# KiCad board FetsAndCrosses.kicad_pcb (continued)
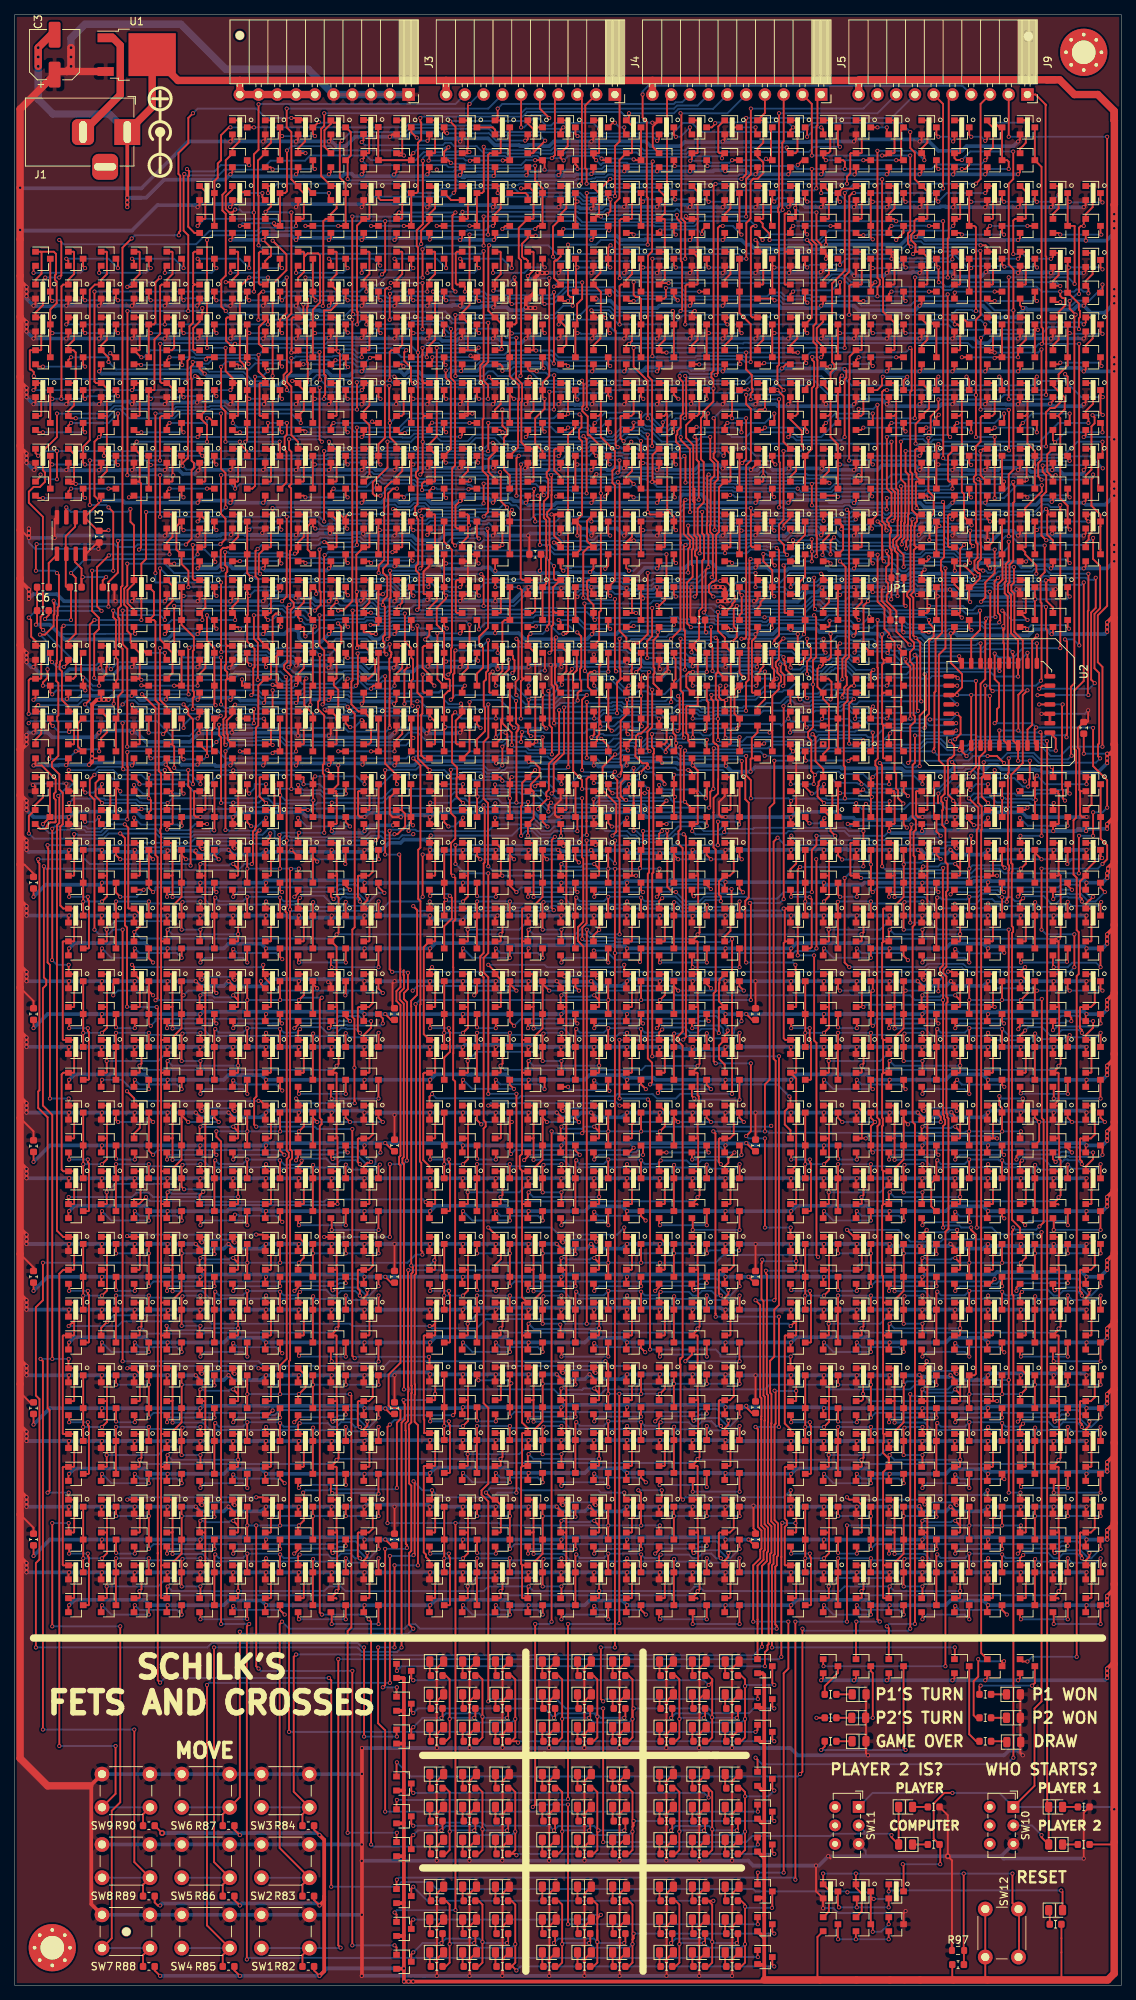
[diagram p0: board, top side]
## Placement (name value [footprint] x y rotation side) (continued)
R104  1K  [R_0603_1608Metric_NOLBL]  131.44 33.02 180 top
R105  20K  [R_0603_1608Metric_NOLBL]  110.49 39.37 180 top
R106  1K  [R_0603_1608Metric_NOLBL]  110.49 36.19 180 top
R107  20K  [R_0603_1608Metric_NOLBL]  12.7 189.23 0 top
R108  20K  [R_0603_1608Metric_NOLBL]  8.25 189.23 180 top
SW1  SW_Push  [SW_PUSH_6mm]  33.4 9.52 0 top
SW2  SW_Push  [SW_PUSH_6mm]  33.4 19.05 0 top
SW3  SW_Push  [SW_PUSH_6mm]  33.4 28.57 0 top
SW4  SW_Push  [SW_PUSH_6mm]  22.61 9.52 0 top
SW5  SW_Push  [SW_PUSH_6mm]  22.61 19.05 0 top
SW6  SW_Push  [SW_PUSH_6mm]  22.61 28.57 0 top
SW7  SW_Push  [SW_PUSH_6mm]  11.81 9.52 0 top
SW8  SW_Push  [SW_PUSH_6mm]  11.81 19.05 0 top
SW9  SW_Push  [SW_PUSH_6mm]  11.81 28.57 0 top
SW10  SW_DPDT_x2  [SW_E-Switch_EG1271_DPDT]  135.25 24.13 270 top
SW11  SW_DPDT_x2  [SW_E-Switch_EG1271_DPDT]  114.3 24.13 270 top
SW12  SW_Push  [SW_PUSH_6mm]  131.44 3.81 90 top
U1  L7805  [TO-252-2]  16.51 261.3 0 top
U2  SST39SF020  [PLCC-32_11.4x14.0mm_P1.27mm_SMD-Socket]  133.35 173.35 270 top
U3  LM555xM  [SOIC-8_3.9x4.9mm_P1.27mm]  7.62 196.21 270 top

## Footprints (pads in the part's own frame, mm; a bottom-side part is the same pattern mirrored in y, then rotated)
BarrelJack_Horizontal
  rect 3.5x3.5 hole 1x3: 1(0,0)
  rrect 3x3.5 hole 1x3: 2(-6,0)
  rrect 3.5x3.5 hole 3x1: 3(-3,-4.7)
C_0603_1608Metric
  rrect 0.875x0.95 smd: 1(-0.787,0) 2(0.787,0)
C_0603_1608Metric_NOLBL
  rrect 0.875x0.95 smd: 1(-0.787,0) 2(0.787,0)
CP_Elec_6.3x7.7
  rrect 3.5x1.6 smd: 1(-2.7,0) 2(2.7,0)
D_0805_2012Metric_NOLBL
  rrect 0.975x1.4 smd: 1(-0.938,0) 2(0.938,0)
jlcpcb_tooling_hole
  round 1.3 hole 1.152 unplated: (0,0)
MountingHole_3.2mm_M3_Pad_Via
  round 0.8 hole 0.5: 1(-2.4,0) 1(-1.697,1.697) 1(-1.697,-1.697) 1(0,2.4) 1(0,-2.4) 1(1.697,1.697) 1(1.697,-1.697) 1(2.4,0)
  round 6.4 hole 3.2: 1(0,0)
PinSocket_1x10_P2.54mm_Horizontal
  rect 1.7x1.7 hole 1: 1(0,0)
  oval 1.7x1.7 hole 1: 2(0,-2.54) 3(0,-5.08) 4(0,-7.62) 5(0,-10.16) 6(0,-12.7) 7(0,-15.24) 8(0,-17.78) 9(0,-20.32) 10(0,-22.86)
PLCC-32_11.4x14.0mm_P1.27mm_SMD-Socket
  rrect 0.6x1.475 smd: 1(0,6.838) 2(-1.27,6.838) 3(-2.54,6.838) 4(-3.81,6.838) 14(-3.81,-6.838) 15(-2.54,-6.838) 16(-1.27,-6.838) 17(0,-6.838) 18(1.27,-6.838) 19(2.54,-6.838) 20(3.81,-6.838) 30(3.81,6.838) 31(2.54,6.838) 32(1.27,6.838)
  rrect 1.475x0.6 smd: 5(-5.562,5.08) 6(-5.562,3.81) 7(-5.562,2.54) 8(-5.562,1.27) 9(-5.562,0) 10(-5.562,-1.27) 11(-5.562,-2.54) 12(-5.562,-3.81) 13(-5.562,-5.08) 21(5.562,-5.08) 22(5.562,-3.81) 23(5.562,-2.54) 24(5.562,-1.27) 25(5.562,0) 26(5.562,1.27) 27(5.562,2.54) 28(5.562,3.81) 29(5.562,5.08)
R_0603_1608Metric
  rrect 0.875x0.95 smd: 1(-0.787,0) 2(0.787,0)
R_0603_1608Metric#2
  rrect 0.8x0.95 smd: 1(-0.825,0) 2(0.825,0)
R_0603_1608Metric_NOLBL
  rrect 0.875x0.95 smd: 1(-0.787,0) 2(0.787,0)
SOIC-8_3.9x4.9mm_P1.27mm
  rrect 1.95x0.6 smd: 1(-2.475,1.905) 2(-2.475,0.635) 3(-2.475,-0.635) 4(-2.475,-1.905) 5(2.475,-1.905) 6(2.475,-0.635) 7(2.475,0.635) 8(2.475,1.905)
SOT-23-N
  rect 0.9x0.8 smd: 1(-1,0.95) 2(-1,-0.95) 3(1,0)
SOT-23-P
  rect 0.9x0.8 smd: 1(-1,0.95) 2(-1,-0.95) 3(1,0)
SW_E-Switch_EG1271_DPDT
  rect 1.6x1.6 hole 0.8: 1(0,0)
  round 1.6 hole 0.8: 2(2.5,0) 3(5,0) 4(0,-3.2) 5(2.5,-3.2) 6(5,-3.2)
SW_PUSH_6mm
  round 2 hole 1.1: 1(0,0) 1(6.5,0) 2(0,-4.5) 2(6.5,-4.5)
TO-252-2
  rect 3.05x2.75 smd: (0.425,1.525) (0.425,-1.525) (3.775,1.525) (3.775,-1.525)
  rect 2.2x1.2 smd: 1(-4.2,2.28) 3(-4.2,-2.28)
  rect 6.4x5.8 smd: 2(2.1,0)

## Nets
+5V: C3.1 C5.1 C7.1 C9.1 C10.1 C11.1 C12.1 C13.1 C14.1 C15.1 C16.1 C17.1 C18.1 C19.1 C20.1 C21.1 C22.1 C24.1 C26.1 C27.1 C28.1 C30.1 D1.2 D2.2 D3.2 D4.2 D5.2 D6.2 D7.2 D8.2 D9.2 D10.2 D11.2 D12.2 D13.2 D14.2 D15.2 D16.2 D17.2 D18.2 D19.2 D20.2 D21.2 D22.2 D23.2 D24.2 D25.2 D26.2 D27.2 D28.2 D29.2 D30.2 D31.2 D32.2 D33.2 D34.2 D35.2 D36.2 D37.2 D38.2 D39.2 D40.2 D41.2 D42.2 D43.2 D44.2 D45.2 D46.2 D47.2 D48.2 D49.2 D50.2 D51.2 D52.2 D53.2 D54.2 D55.2 D56.2 D57.2 D58.2 D59.2 D60.2 D61.2 D62.2 D63.2 D64.2 D65.2 D66.2 D67.2 D68.2 D69.2 D70.2 D71.2 D72.2 D73.2 D74.2 D75.2 D76.2 D77.2 D78.2 D79.2 D80.2 D81.2 D89.2 D92.2 D93.2 D94.2 D95.2 D96.2 J3.1 J3.2 J3.3 J3.4 J3.5 Q1.2 Q3.2 Q5.2 Q6.2 Q10.2 Q11.2 Q14.2 Q15.2 Q16.2 Q20.2 Q21.2 Q22.2 Q26.2 Q27.2 Q28.2 Q32.2 Q33.2 Q36.2 Q38.2 Q39.2 Q42.2 Q43.2 Q46.2 Q47.2 Q48.2 Q52.2 Q53.2 Q56.2 Q57.2 Q58.2 Q62.2 Q63.2 Q64.2 Q68.2 Q69.2 Q70.2 Q74.2 Q75.2 Q78.2 Q79.2 Q82.2 Q83.2 Q86.2 Q87.2 Q89.2 Q90.2 Q94.2 Q95.2 Q98.2 Q99.2 Q100.2 Q104.2 Q105.2 Q106.2 Q110.2 Q111.2 Q112.2 Q116.2 Q117.2 Q120.2 Q122.2 Q123.2 Q126.2 Q127.2 Q130.2 Q131.2 Q132.2 Q136.2 Q137.2 Q140.2 Q141.2 Q142.2 Q146.2 Q147.2 Q148.2 Q152.2 Q153.2 Q154.2 Q158.2 Q159.2 Q162.2 Q163.2 Q166.2 Q167.2 Q170.2 Q171.2 Q173.2 Q174.2 Q178.2 Q179.2 Q182.2 Q183.2 Q184.2 Q188.2 Q189.2 Q190.2 Q194.2 Q195.2 Q196.2 Q200.2 Q201.2 Q204.2 Q206.2 Q207.2 Q210.2 Q211.2 Q214.2 Q215.2 Q216.2 Q220.2 Q221.2 Q224.2 Q225.2 Q226.2 Q230.2 Q231.2 Q232.2 Q236.2 Q237.2 Q238.2 Q242.2 Q243.2 Q246.2 Q247.2 Q250.2 Q251.2 Q254.2 Q255.2 Q257.2 Q258.2 Q262.2 Q263.2 Q266.2 Q267.2 Q268.2 Q272.2 Q273.2 Q274.2 Q278.2 Q279.2 Q280.2 Q284.2 Q285.2 Q288.2 Q290.2 Q291.2 Q294.2 Q295.2 Q298.2 Q299.2 Q300.2 Q304.2 Q305.2 Q308.2 Q309.2 Q310.2 Q314.2 Q315.2 Q316.2 Q320.2 Q321.2 Q322.2 Q326.2 Q327.2 Q330.2 Q331.2 Q333.2 Q335.2 Q337.2 Q339.2 Q341.2 Q342.2 Q346.2 Q347.2 Q350.2 Q351.2 Q352.2 Q356.2 Q357.2 Q358.2 Q362.2 Q363.2 Q364.2 Q368.2 Q369.2 Q372.2 Q373.2 Q375.2 Q377.2 Q379.2 Q381.2 Q419.2 Q423.2 Q427.2 Q429.2 Q430.2 Q434.2 Q435.2 Q436.2 Q440.2 Q441.2 Q442.2 Q446.2 Q447.2 Q448.2 Q452.2 Q453.2 Q454.2 Q458.2 Q459.2 Q460.2 Q464.2 Q465.2 Q466.2 Q470.2 Q471.2 Q472.2 Q476.2 Q477.2 Q478.2 Q481.2 Q482.2 Q483.2 Q487.2 Q488.2 Q489.2 Q494.2 Q497.2 Q516.2 Q520.2 Q524.2 Q528.2 Q532.2 Q536.2 Q540.2 Q544.2 Q547.2 Q548.2 Q552.2 Q553.2 Q554.2 Q558.2 Q559.2 Q560.2 Q564.2 Q565.2 Q566.2 Q570.2 Q571.2 Q572.2 Q576.2 Q577.2 Q578.2 Q582.2 Q583.2 Q584.2 Q588.2 Q589.2 Q590.2 Q594.2 Q595.2 Q596.2 Q599.2 Q600.2 Q601.2 Q605.2 Q606.2 Q607.2 Q611.2 Q612.2 Q616.2 Q617.2 Q618.2 Q622.2 Q623.2 Q624.2 Q628.2 Q629.2 Q630.2 Q634.2 Q635.2 Q636.2 Q640.2 Q641.2 Q642.2 Q646.2 Q647.2 Q649.2 Q651.2 Q654.2 Q655.2 Q658.2 Q661.2 Q662.2 Q666.2 Q667.2 Q669.2 Q671.2 Q674.2 Q675.2 Q678.2 Q679.2 Q681.2 Q684.2 Q685.2 Q687.2 Q690.2 Q691.2 Q692.2 Q696.2 Q697.2 Q699.2 Q702.2 Q703.2 Q706.2 Q707.2 Q710.2 Q711.2 Q714.2 Q715.2 Q718.2 Q719.2 Q722.2 Q723.2 Q726.2 Q727.2 Q730.2 Q731.2 Q734.2 Q735.2 Q738.2 Q739.2 Q742.2 Q743.2 Q746.2 Q747.2 Q748.2 Q749.2 Q753.2 Q754.2 Q755.2 Q759.2 Q760.2 Q761.2 Q765.2 Q767.2 Q770.2 Q771.2 Q774.2 Q775.2 Q778.2 Q779.2 Q782.2 Q783.2 Q786.2 Q787.2 Q790.2 Q791.2 Q794.2 Q795.2 Q798.2 Q799.2 Q802.2 Q803.2 Q804.2 Q805.2 Q809.2 Q810.2 Q811.2 Q815.2 Q816.2 Q817.2 Q821.2 Q823.2 Q826.2 Q827.2 Q828.2 Q832.2 Q833.2 Q835.2 Q838.2 Q841.2 Q844.2 Q847.2 Q850.2 Q853.2 Q856.2 Q859.2 Q862.2 Q865.2 Q868.2 Q871.2 Q874.2 Q877.2 Q879.2 Q882.2 Q883.2 Q886.2 Q889.2 Q892.2 Q893.2 Q896.2 Q897.2 Q900.2 Q901.2 Q904.2 Q905.2 Q908.2 Q909.2 Q912.2 Q913.2 Q916.2 Q917.2 Q920.2 Q921.2 Q922.2 Q925.2 Q926.2 Q927.2 Q931.2 Q932.2 Q933.2 Q937.2 Q939.2 Q941.2 Q943.2 Q944.2 Q948.2 Q949.2 Q952.2 Q953.2 Q954.2 Q958.2 Q959.2 Q960.2 Q964.2 Q965.2 Q966.2 Q970.2 Q971.2 Q974.2 Q975.2 Q977.2 Q979.2 Q981.2 Q983.2 Q985.2 Q986.2 Q990.2 Q991.2 Q994.2 Q995.2 Q996.2 Q1000.2 Q1001.2 Q1002.2 Q1006.2 Q1007.2 Q1008.2 Q1012.2 Q1013.2 Q1016.2 Q1017.2 Q1019.2 Q1021.2 Q1023.2 Q1025.2 Q1027.2 Q1028.2 Q1032.2 Q1033.2 Q1036.2 Q1037.2 Q1038.2 Q1042.2 Q1043.2 Q1044.2 Q1048.2 Q1049.2 Q1050.2 Q1054.2 Q1055.2 Q1058.2 Q1059.2 Q1061.2 Q1063.2 Q1065.2 Q1067.2 Q1069.2 Q1070.2 Q1074.2 Q1075.2 Q1078.2 Q1079.2 Q1080.2 Q1084.2 Q1085.2 Q1086.2 Q1090.2 Q1091.2 Q1092.2 Q1096.2 Q1097.2 Q1100.2 Q1101.2 Q1103.2 Q1106.2 Q1107.2 Q1110.2 Q1111.2 Q1112.2 Q1116.2 Q1117.2 Q1120.2 Q1121.2 Q1122.2 Q1126.2 Q1127.2 Q1128.2 Q1132.2 Q1133.2 Q1134.2 Q1138.2 Q1139.2 Q1142.2 Q1143.2 Q1146.2 Q1147.2 Q1150.2 Q1151.2 Q1153.2 Q1154.2 Q1158.2 Q1159.2 Q1162.2 Q1163.2 Q1164.2 Q1168.2 Q1169.2 Q1170.2 Q1174.2 Q1175.2 Q1176.2 Q1180.2 Q1181.2 Q1184.2 Q1186.2 Q1187.2 Q1190.2 Q1191.2 Q1194.2 Q1195.2 Q1196.2 Q1200.2 Q1201.2 Q1204.2 Q1205.2 Q1206.2 Q1210.2 Q1211.2 Q1212.2 Q1216.2 Q1217.2 Q1218.2 Q1222.2 Q1223.2 Q1226.2 Q1227.2 Q1230.2 Q1231.2 Q1234.2 Q1235.2 Q1237.2 Q1238.2 Q1242.2 Q1243.2 Q1246.2 Q1247.2 Q1248.2 Q1252.2 Q1253.2 Q1254.2 Q1258.2 Q1259.2 Q1260.2 Q1264.2 Q1265.2 Q1268.2 Q1270.2 Q1271.2 Q1274.2 Q1275.2 Q1278.2 Q1279.2 Q1280.2 Q1284.2 Q1285.2 Q1288.2 Q1289.2 Q1290.2 Q1294.2 Q1295.2 Q1296.2 Q1300.2 Q1301.2 Q1302.2 Q1306.2 Q1307.2 Q1310.2 Q1311.2 Q1314.2 Q1315.2 Q1318.2 Q1319.2 Q1346.2 Q1363.2 Q1365.2 Q1366.2 Q1369.2 Q1370.2 Q1373.2 Q1374.2 Q1377.2 Q1380.2 Q1384.2 Q1391.2 Q1396.3 R91.2 R93.2 R97.1 R107.2 SW1.1 SW2.1 SW3.1 SW4.1 SW5.1 SW6.1 SW7.1 SW8.1 SW9.1 SW10.3 SW11.3 U1.3 U2.31 U2.32 U3.4 U3.8
GND: C1.2 C3.2 C5.2 C6.2 C7.2 C8.2 C9.2 C10.2 C11.2 C12.2 C13.2 C14.2 C15.2 C16.2 C17.2 C18.2 C19.2 C20.2 C21.2 C22.2 C24.2 C26.2 C27.2 C28.2 C30.2 J1.1 J3.6 J3.7 J3.8 J3.9 J3.10 J4.10 J5.10 J9.10 Q2.2 Q9.2 Q13.2 Q19.2 Q25.2 Q31.2 Q35.2 Q37.2 Q41.2 Q45.2 Q51.2 Q55.2 Q61.2 Q67.2 Q73.2 Q77.2 Q81.2 Q85.2 Q93.2 Q97.2 Q103.2 Q109.2 Q115.2 Q119.2 Q121.2 Q125.2 Q129.2 Q135.2 Q139.2 Q145.2 Q151.2 Q157.2 Q161.2 Q165.2 Q169.2 Q177.2 Q181.2 Q187.2 Q193.2 Q199.2 Q203.2 Q205.2 Q209.2 Q213.2 Q219.2 Q223.2 Q229.2 Q235.2 Q241.2 Q245.2 Q249.2 Q253.2 Q261.2 Q265.2 Q271.2 Q277.2 Q283.2 Q287.2 Q289.2 Q293.2 Q297.2 Q303.2 Q307.2 Q313.2 Q319.2 Q325.2 Q329.2 Q332.2 Q334.2 Q336.2 Q338.2 Q340.2 Q345.2 Q349.2 Q355.2 Q361.2 Q367.2 Q371.2 Q374.2 Q376.2 Q378.2 Q380.2 Q382.2 Q420.2 Q421.2 Q422.2 Q426.2 Q428.2 Q433.2 Q439.2 Q445.2 Q451.2 Q457.2 Q463.2 Q469.2 Q475.2 Q492.2 Q493.2 Q496.2 Q500.2 Q501.2 Q502.2 Q506.2 Q507.2 Q508.2 Q512.2 Q513.2 Q514.2 Q515.2 Q518.2 Q519.2 Q522.2 Q523.2 Q526.2 Q527.2 Q530.2 Q531.2 Q534.2 Q535.2 Q538.2 Q539.2 Q542.2 Q543.2 Q546.2 Q551.2 Q557.2 Q563.2 Q569.2 Q575.2 Q581.2 Q587.2 Q593.2 Q610.2 Q615.2 Q621.2 Q627.2 Q633.2 Q639.2 Q645.2 Q648.2 Q650.2 Q653.2 Q656.2 Q657.2 Q660.2 Q665.2 Q668.2 Q670.2 Q673.2 Q677.2 Q680.2 Q683.2 Q686.2 Q689.2 Q695.2 Q698.2 Q701.2 Q705.2 Q709.2 Q713.2 Q717.2 Q721.2 Q725.2 Q729.2 Q733.2 Q737.2 Q741.2 Q745.2 Q764.2 Q766.2 Q769.2 Q773.2 Q777.2 Q781.2 Q785.2 Q789.2 Q793.2 Q797.2 Q801.2 Q820.2 Q822.2 Q825.2 Q831.2 Q834.2 Q836.2 Q837.2 Q840.2 Q842.2 Q843.2 Q846.2 Q848.2 Q849.2 Q852.2 Q854.2 Q855.2 Q858.2 Q860.2 Q861.2 Q864.2 Q866.2 Q867.2 Q870.2 Q872.2 Q873.2 Q876.2 Q878.2 Q881.2 Q884.2 Q885.2 Q888.2 Q891.2 Q895.2 Q899.2 Q903.2 Q907.2 Q911.2 Q915.2 Q919.2 Q936.2 Q938.2 Q940.2 Q942.2 Q947.2 Q951.2 Q957.2 Q963.2 Q969.2 Q973.2 Q976.2 Q978.2 Q980.2 Q982.2 Q984.2 Q989.2 Q993.2 Q999.2 Q1005.2 Q1011.2 Q1015.2 Q1018.2 Q1020.2 Q1022.2 Q1024.2 Q1026.2 Q1031.2 Q1035.2 Q1041.2 Q1047.2 Q1053.2 Q1057.2 Q1060.2 Q1062.2 Q1064.2 Q1066.2 Q1068.2 Q1073.2 Q1077.2 Q1083.2 Q1089.2 Q1095.2 Q1099.2 Q1102.2 Q1105.2 Q1109.2 Q1115.2 Q1119.2 Q1125.2 Q1131.2 Q1137.2 Q1141.2 Q1145.2 Q1149.2 Q1157.2 Q1161.2 Q1167.2 Q1173.2 Q1179.2 Q1183.2 Q1185.2 Q1189.2 Q1193.2 Q1199.2 Q1203.2 Q1209.2 Q1215.2 Q1221.2 Q1225.2 Q1229.2 Q1233.2 Q1241.2 Q1245.2 Q1251.2 Q1257.2 Q1263.2 Q1267.2 Q1269.2 Q1273.2 Q1277.2 Q1283.2 Q1287.2 Q1293.2 Q1299.2 Q1305.2 Q1309.2 Q1313.2 Q1317.2 Q1321.2 Q1322.2 Q1323.2 Q1324.2 Q1325.2 Q1326.2 Q1327.2 Q1328.2 Q1329.2 Q1330.2 Q1331.2 Q1332.2 Q1333.2 Q1334.2 Q1335.2 Q1336.2 Q1337.2 Q1338.2 Q1340.2 Q1341.2 Q1342.2 Q1343.2 Q1344.2 Q1345.2 Q1348.2 Q1349.2 Q1353.2 Q1354.2 Q1355.2 Q1359.2 Q1360.2 Q1361.2 Q1362.2 Q1364.2 Q1368.2 Q1372.2 Q1376.2 Q1378.2 Q1379.2 Q1383.2 Q1385.2 Q1394.2 Q1395.3 R82.2 R83.2 R84.2 R85.2 R86.2 R87.2 R88.2 R89.2 R90.2 R92.2 R94.2 R96.2 SW10.1 SW11.1 SW12.1 U1.2 U2.1 U2.16 U2.22 U2.24 U3.1
/Clock/sheet5F1B5D77/A: Q1363.1 Q1364.1 U3.3
/Computer/2: J5.8 Q537.1 Q538.1 Q563.1 Q564.1 Q572.1 Q574.1 Q739.1 Q740.1 Q1243.3 Q1244.3 Q1246.3 Q1259.1 Q1261.1 Q1336.1 U2.2
/Computer/3: J5.7 Q533.1 Q534.1 Q571.1 Q573.1 Q581.1 Q582.1 Q583.1 Q585.1 Q735.1 Q736.1 Q1201.3 Q1202.3 Q1204.3 Q1217.1 Q1219.1 Q1334.1 U2.3
/Computer/5: J4.8 Q305.3 Q306.3 Q308.3 Q321.1 Q323.1 Q445.1 Q446.1 Q454.1 Q456.1 Q535.1 Q536.1 Q795.1 Q796.1 Q1335.1 U2.5
/Computer/6: J4.7 Q263.3 Q264.3 Q266.3 Q279.1 Q281.1 Q453.1 Q455.1 Q463.1 Q464.1 Q465.1 Q467.1 Q531.1 Q532.1 Q791.1 Q792.1 Q1333.1 U2.6
/Computer/10: J4.3 Q95.3 Q96.3 Q98.3 Q111.1 Q113.1 Q433.1 Q434.1 Q447.1 Q449.1 Q469.1 Q470.1 Q543.1 Q544.1 Q775.1 Q776.1 Q1325.1 U2.10
/Computer/13: J9.9 Q331.1 Q332.1 Q1358.1 Q1361.1 U2.13
/Computer/14: J9.8 Q983.1 Q984.1 Q1355.1 Q1357.1 U2.14
/Computer/15: J9.7 Q1021.1 Q1022.1 Q1349.1 Q1356.1 U2.15
/Computer/17: J9.6 Q337.1 Q338.1 Q1352.1 Q1360.1 U2.17
/Computer/18: J9.5 Q977.1 Q978.1 Q1351.1 Q1354.1 U2.18
/Computer/19: J9.4 Q1059.1 Q1060.1 Q1348.1 Q1350.1 U2.19
/Computer/20: J9.3 Q375.1 Q376.1 Q1347.1 Q1359.1 U2.20
/Computer/21: J9.2 Q381.1 Q382.1 Q1346.1 Q1353.1 U2.21
/Computer/27: J4.9 Q347.3 Q348.3 Q350.3 Q363.1 Q365.1 Q451.1 Q452.1 Q457.1 Q458.1 Q475.1 Q476.1 Q539.1 Q540.1 Q799.1 Q800.1 Q1337.1 U2.27
/Computer/28: J5.5 Q525.1 Q526.1 Q554.1 Q556.1 Q560.1 Q562.1 Q584.1 Q586.1 Q590.1 Q592.1 Q727.1 Q728.1 Q1117.3 Q1118.3 Q1120.3 Q1133.1 Q1135.1 Q1330.1 U2.28
/Computer/29: J5.6 Q529.1 Q530.1 Q557.1 Q558.1 Q566.1 Q568.1 Q731.1 Q732.1 Q1159.3 Q1160.3 Q1162.3 Q1175.1 Q1177.1 Q1332.1 U2.29
/Computer/30: J5.9 Q541.1 Q542.1 Q569.1 Q570.1 Q575.1 Q576.1 Q593.1 Q594.1 Q743.1 Q744.1 Q1285.3 Q1286.3 Q1288.3 Q1301.1 Q1303.1 Q1338.1 U2.30
/Computer/sheet5EDC8ECF/Q: JP1.1 Q1348.3 Q1349.3 Q1353.3 Q1354.3 Q1355.3 Q1358.3 Q1359.3 Q1360.3 Q1361.3
/EndState_Detect/Draw: Q1343.1 Q1378.3 Q1379.3 Q1382.3 Q1383.3
/EndState_Detect/Draw_Detect/0: Q493.3 Q495.3 Q496.3 Q511.1 Q514.1
/EndState_Detect/Draw_Detect/1: Q508.1 Q510.1 Q515.3 Q517.3 Q518.3
/EndState_Detect/Draw_Detect/2: Q502.1 Q509.1 Q543.3 Q545.3 Q546.3
/EndState_Detect/Draw_Detect/3: Q505.1 Q513.1 Q519.3 Q521.3 Q522.3
/EndState_Detect/Draw_Detect/4: Q504.1 Q507.1 Q523.3 Q525.3 Q526.3
/EndState_Detect/Draw_Detect/5: Q501.1 Q503.1 Q527.3 Q529.3 Q530.3
/EndState_Detect/Draw_Detect/6: Q499.1 Q512.1 Q531.3 Q533.3 Q534.3
/EndState_Detect/Draw_Detect/7: Q498.1 Q506.1 Q535.3 Q537.3 Q538.3
/EndState_Detect/Draw_Detect/8: Q497.1 Q500.1 Q539.3 Q541.3 Q542.3
/EndState_Detect/P1_Won: Q421.1 Q423.1 Q477.3 Q478.3 Q479.3 Q481.3 Q482.3 Q483.3 Q487.3 Q488.3 Q489.3 Q1341.1 Q1378.1 Q1380.1
/EndState_Detect/P2_Won: Q422.1 Q424.1 Q595.3 Q596.3 Q597.3 Q599.3 Q600.3 Q601.3 Q605.3 Q606.3 Q607.3 Q1342.1 Q1379.1 Q1381.1
/EndState_Detect/sheet5ED298A3/sheet5ED2645B/A: Q421.3 Q422.3 Q425.3 Q426.3 Q427.1 Q428.1
/EndState_Detect/sheet5F618C3B/C: Q1382.1 Q1383.1 Q1384.3 Q1385.3
/EndState_Detect/sheet5F619E8D/A: Q425.1 Q426.1 Q500.3 Q501.3 Q502.3 Q506.3 Q507.3 Q508.3 Q511.3 Q512.3 Q513.3 Q514.3 Q1384.1 Q1385.1
/EndState_Detect/Win_Detect_P1/Col_1: Q459.3 Q460.3 Q461.3 Q464.3 Q486.1 Q488.1
/EndState_Detect/Win_Detect_P1/Col_2: Q441.3 Q442.3 Q443.3 Q446.3 Q482.1 Q485.1
/EndState_Detect/Win_Detect_P1/Col_3: Q447.3 Q448.3 Q449.3 Q452.3 Q477.1 Q484.1
/EndState_Detect/Win_Detect_P1/Diag_1: Q471.3 Q472.3 Q473.3 Q476.3 Q480.1 Q487.1
/EndState_Detect/Win_Detect_P1/Diag_2: Q465.3 Q466.3 Q467.3 Q470.3 Q479.1 Q481.1
/EndState_Detect/Win_Detect_P1/Row_1: Q429.3 Q430.3 Q431.3 Q434.3 Q489.1 Q492.1
/EndState_Detect/Win_Detect_P1/Row_2: Q435.3 Q436.3 Q437.3 Q440.3 Q483.1 Q491.1
/EndState_Detect/Win_Detect_P1/Row_3: Q453.3 Q454.3 Q455.3 Q458.3 Q478.1 Q490.1
/EndState_Detect/Win_Detect_P2/Col_1: Q577.3 Q578.3 Q579.3 Q582.3 Q604.1 Q606.1
/EndState_Detect/Win_Detect_P2/Col_2: Q559.3 Q560.3 Q561.3 Q564.3 Q600.1 Q603.1
/EndState_Detect/Win_Detect_P2/Col_3: Q565.3 Q566.3 Q567.3 Q570.3 Q595.1 Q602.1
/EndState_Detect/Win_Detect_P2/Diag_1: Q589.3 Q590.3 Q591.3 Q594.3 Q598.1 Q605.1
/EndState_Detect/Win_Detect_P2/Diag_2: Q583.3 Q584.3 Q585.3 Q588.3 Q597.1 Q599.1
/EndState_Detect/Win_Detect_P2/Row_1: Q547.3 Q548.3 Q549.3 Q552.3 Q607.1 Q610.1
/EndState_Detect/Win_Detect_P2/Row_2: Q553.3 Q554.3 Q555.3 Q558.3 Q601.1 Q609.1
/EndState_Detect/Win_Detect_P2/Row_3: Q571.3 Q572.3 Q573.3 Q576.3 Q596.1 Q608.1
/P2_Switch/0: Q335.3 Q336.3 Q1107.1 Q1108.1
/P2_Switch/1: Q1019.3 Q1020.3 Q1147.1 Q1148.1
/P2_Switch/2: Q1025.3 Q1026.3 Q1187.1 Q1188.1
/P2_Switch/3: Q373.3 Q374.3 Q1227.1 Q1228.1
/P2_Switch/4: Q981.3 Q982.3 Q1235.1 Q1236.1
/P2_Switch/5: Q1063.3 Q1064.3 Q1275.1 Q1276.1
/P2_Switch/6: Q379.3 Q380.3 Q1315.1 Q1316.1
/P2_Switch/7: Q975.3 Q976.3 Q1366.1 Q1367.1
/P2_Switch/8: Q1101.3 Q1102.3 Q1374.1 Q1375.1
/P2_Switch/C_8: J9.1 JP1.2 Q1065.1 Q1066.1
/P2_Switch/P2_isComputer: D84.1 D85.2 Q385.1 Q386.1 Q389.1 Q390.1 Q393.1 Q394.1 Q397.1 Q398.1 Q401.1 Q402.1 Q405.1 Q406.1 Q409.1 Q410.1 Q413.1 Q414.1 Q417.1 Q418.1 Q419.1 Q420.1 Q653.1 Q654.1 SW11.2
/P2_Switch/sheet5ED3BBFC/sheet5F4E3E19/A: Q373.1 Q374.1 Q387.3 Q388.3 Q389.3 Q390.3
/P2_Switch/sheet5ED3CF2E/sheet5F4E3E19/A: Q379.1 Q380.1 Q391.3 Q392.3 Q393.3 Q394.3
/P2_Switch/sheet5ED3E1AA/sheet5F4E3E19/A: Q395.3 Q396.3 Q397.3 Q398.3 Q975.1 Q976.1
/P2_Switch/sheet5ED3F30E/sheet5F4E3E19/A: Q399.3 Q400.3 Q401.3 Q402.3 Q981.1 Q982.1
/P2_Switch/sheet5ED43BA7/sheet5F4E3E19/A: Q415.3 Q416.3 Q417.3 Q418.3 Q1101.1 Q1102.1
/P2_Switch/sheet5ED404CD/sheet5F4E3E19/A: Q403.3 Q404.3 Q405.3 Q406.3 Q1019.1 Q1020.1
/P2_Switch/sheet5ED416D9/sheet5F4E3E19/A: Q407.3 Q408.3 Q409.3 Q410.3 Q1025.1 Q1026.1
/P2_Switch/sheet5ED4298D/sheet5F4E3E19/A: Q411.3 Q412.3 Q413.3 Q414.3 Q1063.1 Q1064.1
/P2_Switch/sheet5ED39784/sheet5F4E3E19/A: Q335.1 Q336.1 Q383.3 Q384.3 Q385.3 Q386.3
/P2_Switch/~{IS_CPU}: Q383.1 Q384.1 Q387.1 Q388.1 Q391.1 Q392.1 Q395.1 Q396.1 Q399.1 Q400.1 Q403.1 Q404.1 Q407.1 Q408.1 Q411.1 Q412.1 Q415.1 Q416.1 Q419.3 Q420.3
/PlayerMem_1/0: J4.1 Q11.3 Q12.3 Q14.3 Q27.1 Q29.1 Q429.1 Q431.1 Q459.1 Q461.1 Q471.1 Q473.1 Q493.1 Q494.1 Q771.1 Q772.1 Q1321.1 U2.12
/PlayerMem_1/1: J4.2 Q53.3 Q54.3 Q56.3 Q69.1 Q71.1 Q430.1 Q432.1 Q441.1 Q443.1 Q515.1 Q516.1 Q823.1 Q824.1 Q1323.1 U2.11
/PlayerMem_1/3: J4.4 Q137.3 Q138.3 Q140.3 Q153.1 Q155.1 Q435.1 Q437.1 Q460.1 Q462.1 Q519.1 Q520.1 Q779.1 Q780.1 Q1327.1 U2.9
/PlayerMem_1/4: J4.5 Q179.3 Q180.3 Q182.3 Q195.1 Q197.1 Q436.1 Q438.1 Q442.1 Q444.1 Q466.1 Q468.1 Q472.1 Q474.1 Q523.1 Q524.1 Q783.1 Q784.1 Q1329.1 U2.8
/PlayerMem_1/5: J4.6 Q221.3 Q222.3 Q224.3 Q237.1 Q239.1 Q439.1 Q440.1 Q448.1 Q450.1 Q527.1 Q528.1 Q787.1 Q788.1 Q1331.1 U2.7
/PlayerMem_1/CLK: Q9.1 Q10.1 Q16.1 Q18.1 Q51.1 Q52.1 Q58.1 Q60.1 Q93.1 Q94.1 Q100.1 Q102.1 Q135.1 Q136.1 Q142.1 Q144.1 Q177.1 Q178.1 Q184.1 Q186.1 Q219.1 Q220.1 Q226.1 Q228.1 Q261.1 Q262.1 Q268.1 Q270.1 Q303.1 Q304.1 Q310.1 Q312.1 Q345.1 Q346.1 Q352.1 Q354.1 Q612.1 Q614.1 Q618.1 Q620.1 Q947.1 Q948.1 Q954.1 Q956.1 Q989.1 Q990.1 Q996.1 Q998.1 Q1031.1 Q1032.1 Q1038.1 Q1040.1 Q1073.1 Q1074.1 Q1080.1 Q1082.1 Q1115.1 Q1116.1 Q1122.1 Q1124.1 Q1157.1 Q1158.1 Q1164.1 Q1166.1 Q1199.1 Q1200.1 Q1206.1 Q1208.1 Q1241.1 Q1242.1 Q1248.1 Q1250.1 Q1283.1 Q1284.1 Q1290.1 Q1292.1 Q1363.3 Q1364.3
/PlayerMem_1/M0: Q39.1 Q40.1 Q333.1 Q334.1 Q717.1 Q718.1 Q773.1 Q774.1 Q887.1 Q888.1 Q889.1 Q890.1 R90.1 SW9.2
/PlayerMem_1/M1: Q79.1 Q80.1 Q769.1 Q770.1 Q825.1 Q826.1 Q885.1 Q886.1 Q891.1 Q892.1 Q1017.1 Q1018.1 R87.1 SW6.2
/PlayerMem_1/M2: Q87.1 Q88.1 Q721.1 Q722.1 Q777.1 Q778.1 Q839.1 Q840.1 Q895.1 Q896.1 Q1023.1 Q1024.1 R84.1 SW3.2
/PlayerMem_1/M3: Q127.1 Q128.1 Q339.1 Q340.1 Q725.1 Q726.1 Q781.1 Q782.1 Q845.1 Q846.1 Q899.1 Q900.1 R89.1 SW8.2
/PlayerMem_1/M4: Q167.1 Q168.1 Q729.1 Q730.1 Q785.1 Q786.1 Q851.1 Q852.1 Q903.1 Q904.1 Q979.1 Q980.1 R86.1 SW5.2
/PlayerMem_1/M5: Q207.1 Q208.1 Q733.1 Q734.1 Q789.1 Q790.1 Q857.1 Q858.1 Q907.1 Q908.1 Q1061.1 Q1062.1 R83.1 SW2.2
/PlayerMem_1/M6: Q247.1 Q248.1 Q377.1 Q378.1 Q737.1 Q738.1 Q793.1 Q794.1 Q863.1 Q864.1 Q911.1 Q912.1 R88.1 SW7.2
/PlayerMem_1/M7: Q255.1 Q256.1 Q741.1 Q742.1 Q797.1 Q798.1 Q869.1 Q870.1 Q915.1 Q916.1 Q941.1 Q942.1 R85.1 SW4.2
/PlayerMem_1/M8: Q295.1 Q296.1 Q745.1 Q746.1 Q801.1 Q802.1 Q875.1 Q876.1 Q919.1 Q920.1 Q1067.1 Q1068.1 R82.1 SW1.2
/PlayerMem_1/RESET: D86.2 Q1.1 Q2.1 Q671.1 Q672.1 Q675.1 Q676.1 Q939.1 Q940.1 Q1392.3 Q1393.3 Q1395.1 Q1396.1
/PlayerMem_1/Sheet5EFB6D22/sheet5EFB6E86/D: Q3.3 Q4.3 Q25.1 Q26.1 Q38.3
/PlayerMem_1/Sheet5EFB6D22/sheet5EFB6E86/sheet5EFA4EF6/A: Q5.1 Q7.1 Q33.3 Q34.3 Q36.3
/PlayerMem_1/Sheet5EFB6D22/sheet5EFB6E86/sheet5EFA5AF5/A: Q15.3 Q16.3 Q17.3 Q20.3 Q21.1 Q23.1 Q31.1 Q32.1
/PlayerMem_1/Sheet5EFB6D22/sheet5EFB6E86/sheet5EFA557C/A: Q5.3 Q6.3 Q7.3 Q10.3 Q11.1 Q12.1 Q15.1 Q17.1 Q35.1 Q36.1
/PlayerMem_1/Sheet5EFB6D22/sheet5EFB6E86/sheet5EFA6019/A: Q19.1 Q20.1 Q21.3 Q22.3 Q23.3 Q26.3 Q33.1 Q34.1
/PlayerMem_1/Sheet5EFB6D22/sheet5F46F157/A: Q3.1 Q4.1 Q13.1 Q14.1 Q27.3 Q28.3 Q29.3 Q32.3
/PlayerMem_1/Sheet5EFB6D22/sheet5F46F157/B: Q37.1 Q38.1 Q39.3 Q40.3 Q42.3
/PlayerMem_1/sheet5F17B538/sheet5EFB6E86/D: Q43.3 Q44.3 Q46.3 Q67.1 Q68.1
/PlayerMem_1/sheet5F17B538/sheet5EFB6E86/sheet5EFA4EF6/A: Q47.1 Q49.1 Q75.3 Q76.3 Q78.3
/PlayerMem_1/sheet5F17B538/sheet5EFB6E86/sheet5EFA5AF5/A: Q57.3 Q58.3 Q59.3 Q62.3 Q63.1 Q65.1 Q73.1 Q74.1
/PlayerMem_1/sheet5F17B538/sheet5EFB6E86/sheet5EFA557C/A: Q47.3 Q48.3 Q49.3 Q52.3 Q53.1 Q54.1 Q57.1 Q59.1 Q77.1 Q78.1
/PlayerMem_1/sheet5F17B538/sheet5EFB6E86/sheet5EFA6019/A: Q61.1 Q62.1 Q63.3 Q64.3 Q65.3 Q68.3 Q75.1 Q76.1
/PlayerMem_1/sheet5F17B538/sheet5F46F157/A: Q43.1 Q44.1 Q55.1 Q56.1 Q69.3 Q70.3 Q71.3 Q74.3
/PlayerMem_1/sheet5F17B538/sheet5F46F157/B: Q45.1 Q46.1 Q79.3 Q80.3 Q82.3
/PlayerMem_1/sheet5F17D798/sheet5EFB6E86/D: Q83.3 Q84.3 Q86.3 Q109.1 Q110.1
/PlayerMem_1/sheet5F17D798/sheet5EFB6E86/sheet5EFA4EF6/A: Q89.1 Q91.1 Q117.3 Q118.3 Q120.3
/PlayerMem_1/sheet5F17D798/sheet5EFB6E86/sheet5EFA5AF5/A: Q99.3 Q100.3 Q101.3 Q104.3 Q105.1 Q107.1 Q115.1 Q116.1
/PlayerMem_1/sheet5F17D798/sheet5EFB6E86/sheet5EFA557C/A: Q89.3 Q90.3 Q91.3 Q94.3 Q95.1 Q96.1 Q99.1 Q101.1 Q119.1 Q120.1
/PlayerMem_1/sheet5F17D798/sheet5EFB6E86/sheet5EFA6019/A: Q103.1 Q104.1 Q105.3 Q106.3 Q107.3 Q110.3 Q117.1 Q118.1
/PlayerMem_1/sheet5F17D798/sheet5F46F157/A: Q83.1 Q84.1 Q97.1 Q98.1 Q111.3 Q112.3 Q113.3 Q116.3
/PlayerMem_1/sheet5F17D798/sheet5F46F157/B: Q85.1 Q86.1 Q87.3 Q88.3 Q122.3
/PlayerMem_1/sheet5F1827A6/sheet5EFB6E86/D: Q211.3 Q212.3 Q214.3 Q277.1 Q278.1
/PlayerMem_1/sheet5F1827A6/sheet5EFB6E86/sheet5EFA4EF6/A: Q257.1 Q259.1 Q285.3 Q286.3 Q288.3
/PlayerMem_1/sheet5F1827A6/sheet5EFB6E86/sheet5EFA5AF5/A: Q267.3 Q268.3 Q269.3 Q272.3 Q273.1 Q275.1 Q283.1 Q284.1
/PlayerMem_1/sheet5F1827A6/sheet5EFB6E86/sheet5EFA557C/A: Q257.3 Q258.3 Q259.3 Q262.3 Q263.1 Q264.1 Q267.1 Q269.1 Q287.1 Q288.1
/PlayerMem_1/sheet5F1827A6/sheet5EFB6E86/sheet5EFA6019/A: Q271.1 Q272.1 Q273.3 Q274.3 Q275.3 Q278.3 Q285.1 Q286.1
/PlayerMem_1/sheet5F1827A6/sheet5F46F157/A: Q211.1 Q212.1 Q265.1 Q266.1 Q279.3 Q280.3 Q281.3 Q284.3
/PlayerMem_1/sheet5F1827A6/sheet5F46F157/B: Q213.1 Q214.1 Q247.3 Q248.3 Q250.3
/PlayerMem_1/sheet5F1827A7/sheet5EFB6E86/D: Q251.3 Q252.3 Q254.3 Q319.1 Q320.1
/PlayerMem_1/sheet5F1827A7/sheet5EFB6E86/sheet5EFA4EF6/A: Q299.1 Q301.1 Q327.3 Q328.3 Q330.3
/PlayerMem_1/sheet5F1827A7/sheet5EFB6E86/sheet5EFA5AF5/A: Q309.3 Q310.3 Q311.3 Q314.3 Q315.1 Q317.1 Q325.1 Q326.1
/PlayerMem_1/sheet5F1827A7/sheet5EFB6E86/sheet5EFA557C/A: Q299.3 Q300.3 Q301.3 Q304.3 Q305.1 Q306.1 Q309.1 Q311.1 Q329.1 Q330.1
/PlayerMem_1/sheet5F1827A7/sheet5EFB6E86/sheet5EFA6019/A: Q313.1 Q314.1 Q315.3 Q316.3 Q317.3 Q320.3 Q327.1 Q328.1
/PlayerMem_1/sheet5F1827A7/sheet5F46F157/A: Q251.1 Q252.1 Q307.1 Q308.1 Q321.3 Q322.3 Q323.3 Q326.3
/PlayerMem_1/sheet5F1827A7/sheet5F46F157/B: Q253.1 Q254.1 Q255.3 Q256.3 Q290.3
/PlayerMem_1/sheet5F1827A8/sheet5EFB6E86/D: Q291.3 Q292.3 Q294.3 Q361.1 Q362.1
/PlayerMem_1/sheet5F1827A8/sheet5EFB6E86/sheet5EFA4EF6/A: Q341.1 Q343.1 Q369.3 Q370.3 Q372.3
/PlayerMem_1/sheet5F1827A8/sheet5EFB6E86/sheet5EFA5AF5/A: Q351.3 Q352.3 Q353.3 Q356.3 Q357.1 Q359.1 Q367.1 Q368.1
/PlayerMem_1/sheet5F1827A8/sheet5EFB6E86/sheet5EFA557C/A: Q341.3 Q342.3 Q343.3 Q346.3 Q347.1 Q348.1 Q351.1 Q353.1 Q371.1 Q372.1
/PlayerMem_1/sheet5F1827A8/sheet5EFB6E86/sheet5EFA6019/A: Q355.1 Q356.1 Q357.3 Q358.3 Q359.3 Q362.3 Q369.1 Q370.1
/PlayerMem_1/sheet5F1827A8/sheet5F46F157/A: Q291.1 Q292.1 Q349.1 Q350.1 Q363.3 Q364.3 Q365.3 Q368.3
/PlayerMem_1/sheet5F1827A8/sheet5F46F157/B: Q293.1 Q294.1 Q295.3 Q296.3 Q298.3
/PlayerMem_1/sheet5F18011C/sheet5EFB6E86/D: Q123.3 Q124.3 Q126.3 Q151.1 Q152.1
/PlayerMem_1/sheet5F18011C/sheet5EFB6E86/sheet5EFA4EF6/A: Q131.1 Q133.1 Q159.3 Q160.3 Q162.3
/PlayerMem_1/sheet5F18011C/sheet5EFB6E86/sheet5EFA5AF5/A: Q141.3 Q142.3 Q143.3 Q146.3 Q147.1 Q149.1 Q157.1 Q158.1
/PlayerMem_1/sheet5F18011C/sheet5EFB6E86/sheet5EFA557C/A: Q131.3 Q132.3 Q133.3 Q136.3 Q137.1 Q138.1 Q141.1 Q143.1 Q161.1 Q162.1
/PlayerMem_1/sheet5F18011C/sheet5EFB6E86/sheet5EFA6019/A: Q145.1 Q146.1 Q147.3 Q148.3 Q149.3 Q152.3 Q159.1 Q160.1
/PlayerMem_1/sheet5F18011C/sheet5F46F157/A: Q123.1 Q124.1 Q139.1 Q140.1 Q153.3 Q154.3 Q155.3 Q158.3
/PlayerMem_1/sheet5F18011C/sheet5F46F157/B: Q125.1 Q126.1 Q127.3 Q128.3 Q130.3
/PlayerMem_1/sheet5F18011D/sheet5EFB6E86/D: Q163.3 Q164.3 Q166.3 Q193.1 Q194.1
/PlayerMem_1/sheet5F18011D/sheet5EFB6E86/sheet5EFA4EF6/A: Q173.1 Q175.1 Q201.3 Q202.3 Q204.3
/PlayerMem_1/sheet5F18011D/sheet5EFB6E86/sheet5EFA5AF5/A: Q183.3 Q184.3 Q185.3 Q188.3 Q189.1 Q191.1 Q199.1 Q200.1
